# Altium PCB IoT_Greenhouse V1.0 A.PcbDoc (part 1 of 2) (continued)
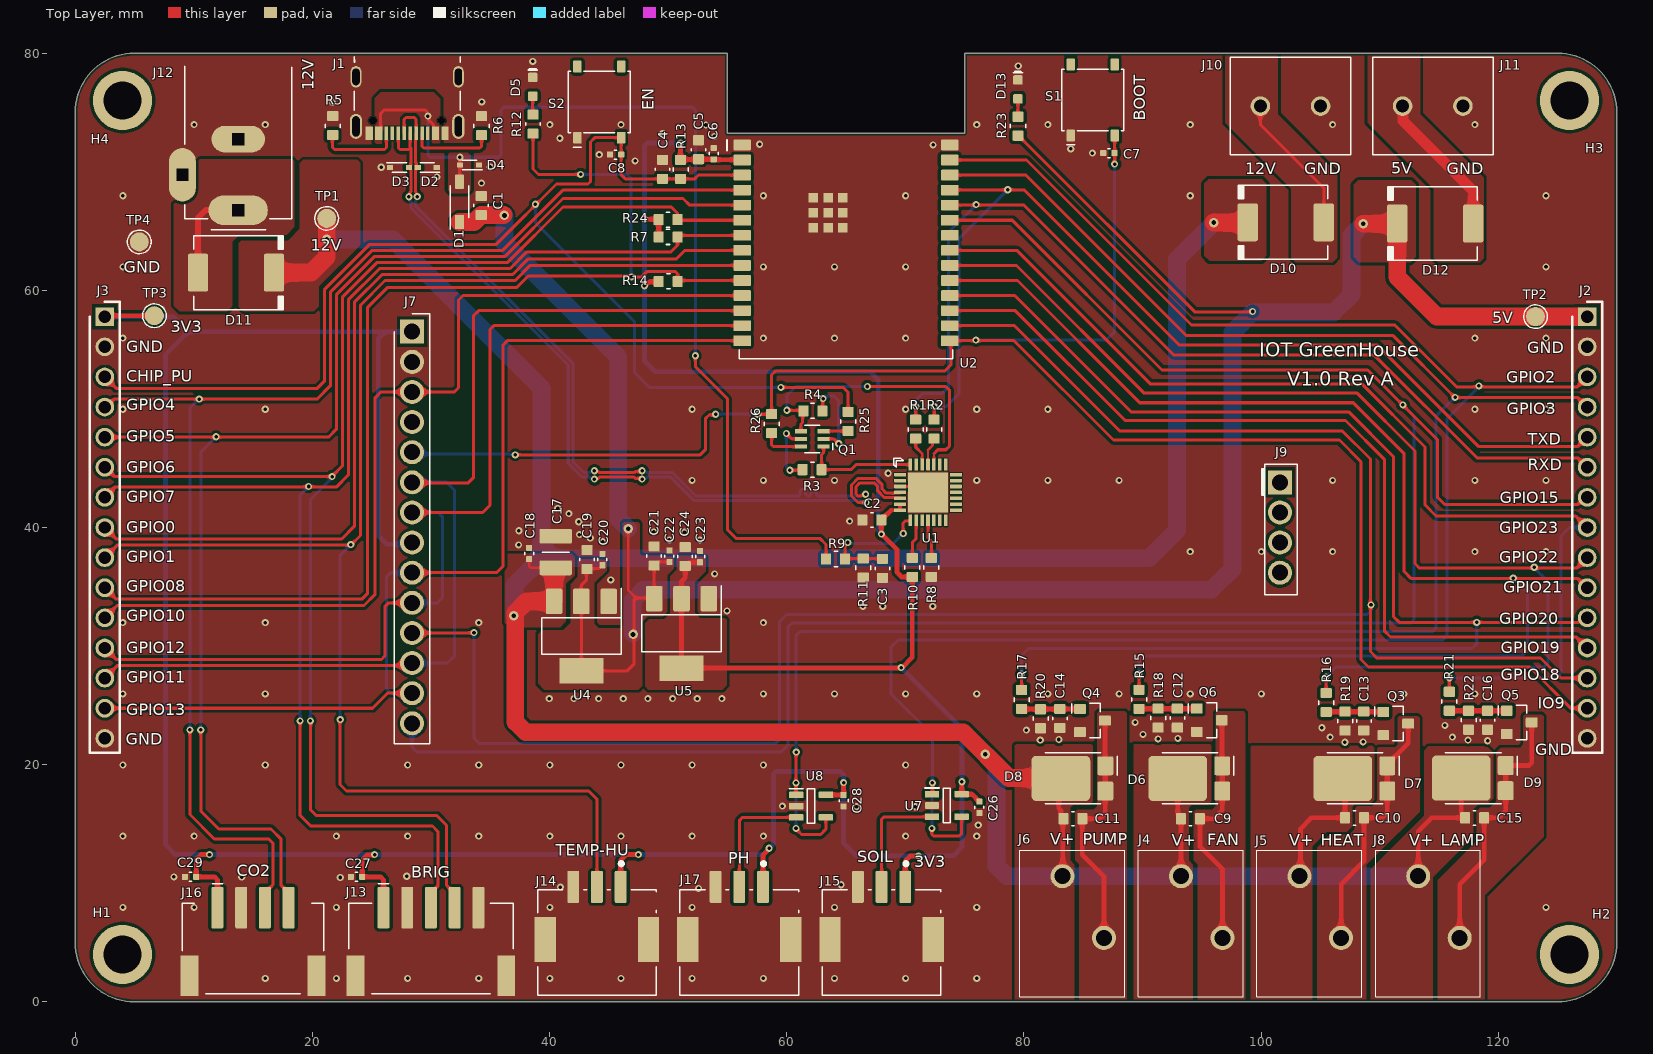
[diagram p0: Top Layer view]
## Part data (continued)
C9 C10 C11 C15: library part CAP_1uF_35V_X5R_0603, "Multilayer Ceramic Capacitors (High dielectric type), 35V, 1 uF, ± 10 %, 0603, X5R, RoHS", Capacitance=1uF, Case Code (Imperial)=0603, Case Code (Metric)=1608, Dielectric=X5R, Dielectric Material=4241ConductorMaterial, Manufacturer="Taiyo Yuden", Max Operating Temperature=85°C, Min Operating Temperature=-55°C, Package Quantity=4000, Supplier Part Number 1=587-1437-6-ND, Tolerance=10%, Voltage Rating=35V, Case/Package=0603, Category="Ceramic Capacitors", ComponentLink1Description=https://datasheet.ciiva.com/134/gmk107bj105ka-t-ss-134746.pdf?src-supplier=Digikey, ComponentLink1URL=https://datasheet.ciiva.com/134/gmk107bj105ka-t-ss-134746.pdf?src-supplier=Digikey, ComponentLink2Description=https://datasheet.ciiva.com/30065/198gmk107bj105ka-t-30065053.pdf?src-supplier=Onlinecomponents.com, ComponentLink2URL=https://datasheet.ciiva.com/30065/198gmk107bj105ka-t-30065053.pdf?src-supplier=Onlinecomponents.com, ComponentLink3Description=https://datasheet.ciiva.com/11463/gmk107bj105ka-t-ss-11463824.pdf?src-supplier=Avnet, ComponentLink3URL=https://datasheet.ciiva.com/11463/gmk107bj105ka-t-ss-11463824.pdf?src-supplier=Avnet, ComponentLink4Description=https://datasheet.ciiva.com/15920/1014gmk107bj105ka-t-15920678.pdf?src-supplier=Onlinecomponents.com, ComponentLink4URL=https://datasheet.ciiva.com/15920/1014gmk107bj105ka-t-15920678.pdf?src-supplier=Onlinecomponents.com, ComponentLink5Description=https://datasheet.ciiva.com/26871/getdatasheetpartid-637436-26871549.pdf?src-supplier=Verical, ComponentLink5URL=https://datasheet.ciiva.com/26871/getdatasheetpartid-637436-26871549.pdf?src-supplier=Verical, ComponentLink6Description=https://datasheet.ciiva.com/30181/9gmk107bj105ka-t-30181659.pdf?src-supplier=Onlinecomponents.com, ComponentLink6URL=https://datasheet.ciiva.com/30181/9gmk107bj105ka-t-30181659.pdf?src-supplier=Onlinecomponents.com, ComponentLink7Description=https://datasheet.ciiva.com/5415/mlcc-all-e-541559-5415038.pdf?src-supplier=Mouser, ComponentLink7URL=https://datasheet.ciiva.com/5415/mlcc-all-e-541559-5415038.pdf?src-supplier=Mouser, Construction=Flat, Depth=0.8mm, Halogen Free=5694HalogenFree, Height=0.8mm, Lead Free=5697LeadFree, Length=1.6mm, Manufacturer Part Number=GMK107BJ105KA-T, Material=4241ConductorMaterial, Mount="Surface Mount", Packaging="Tape and Reel", Pricing 1="1=0.17, 10=0.108, 50=0.0682, 100=0.0545, 500=0.0394, 1000=0.03484 (USD)", Radiation Hardening=No, Reach SVHC Compliant=No, RoHS=Yes, RoHS Compliant=Yes, Series=M, Stock 1=1326938, Supplier 1=Digikey, Termination=SMD/SMT, Voltage Rating (DC)=35V, Width=0.8mm
C12 C13 C14 C16: library part CAP_100NF_16V_X7R_0603, "Ceramic capacitor SMD-0603 100nF /16V X7R# K +-10%, Samsung, RoHS", Capacitance=100nF, Case Code (Imperial)=0603, Case Code (Metric)=1608, Dielectric=X7R, Manufacturer=Samsung, Max Operating Temperature=125°C, Min Operating Temperature=-55°C, Package Quantity=1, Supplier Part Number 1=1276-1005-1-ND, Tolerance=10%, Voltage=16V, Case/Package=0603, Category="Ceramic Capacitors", ComponentLink1Description=https://datasheet.ciiva.com/25805/cl10b104ko8nnnc-25805483.pdf?src-supplier=Digi-Key, ComponentLink1URL=https://datasheet.ciiva.com/25805/cl10b104ko8nnnc-25805483.pdf?src-supplier=Digi-Key, ComponentLink2Description=https://datasheet.ciiva.com/26838/getdatasheetpartid-357417-26838418.pdf?src-supplier=Verical, ComponentLink2URL=https://datasheet.ciiva.com/26838/getdatasheetpartid-357417-26838418.pdf?src-supplier=Verical, ComponentLink3Description=https://datasheet.ciiva.com/29198/456679-da-01-en-vs-kondensator-0603-29198846.pdf?src-supplier=Conrad, ComponentLink3URL=https://datasheet.ciiva.com/29198/456679-da-01-en-vs-kondensator-0603-29198846.pdf?src-supplier=Conrad, Contact Plating=Tin, Depth=0.8mm, Height=0.8mm, Lead Free="Lead Free", Length=1.6mm, Manufacturer Part Number=CL10B104KO8NNNC, Material=Ceramic, Mount="Surface Mount", Packaging="Tape and Reel", Pricing 1="1=0.10000, 10=0.02700, 50=0.01500, 100=0.01220, 500=0.00874, 1000=0.00686 (USD)", Radiation Hardening=No, RoHS=Yes, RoHS Compliant=Yes, Series=CL, Stock 1=9799745, Supplier 1=Digi-Key, Supplier 2=Newark, Supplier 3=Mouser, Supplier Part Number 2=82AC9325, Supplier Part Number 3=187-CL10B104KO8NNNC, Thickness=0.035inch, Voltage Rating=16V, Width=0.031inch
C17: library part CAP_22UF_25V_X7R_1210, "Multilayer Ceramic Capacitor, 22 uF, 25 V, ± 10%, X7R, 1210 [3225 Metric]", Capacitance=22uF, Case Code (Imperial)=1210, Case Code (Metric)=3225, Color=46Colour, Current Rating=3A, Dielectric=X7R, Manufacturer=Murata, Max Operating Temperature=125°C, Min Operating Temperature=-55°C, Package Quantity=1, Supplier Part Number 1=490-5313-1-ND, Tolerance=10%, Voltage=25V, Case/Package=1210, Category="Ceramic Capacitors", ComponentLink1Description=https://datasheet.ciiva.com/6072/1697714-6072768.pdf?src-supplier=Farnell, ComponentLink1URL=https://datasheet.ciiva.com/6072/1697714-6072768.pdf?src-supplier=Farnell, ComponentLink2Description=https://datasheet.ciiva.com/3776/2741grm32er71e226ke1523-3776996.pdf?src-supplier=Arrow+Electronics, ComponentLink2URL=https://datasheet.ciiva.com/3776/2741grm32er71e226ke1523-3776996.pdf?src-supplier=Arrow+Electronics, ComponentLink3Description=https://datasheet.ciiva.com/11789/0900766b80ef921d-11789129.pdf?src-supplier=Rs, ComponentLink3URL=https://datasheet.ciiva.com/11789/0900766b80ef921d-11789129.pdf?src-supplier=Rs, ComponentLink4Description=https://datasheet.ciiva.com/16497/product-16497009.pdf?src-supplier=Future+Electronics, ComponentLink4URL=https://datasheet.ciiva.com/16497/product-16497009.pdf?src-supplier=Future+Electronics, ComponentLink5Description=https://datasheet.ciiva.com/29201/451826-da-01-de-vs-kondens-grm32-er71e-226ke15l-29201795.pdf?src-supplier=Conrad, ComponentLink5URL=https://datasheet.ciiva.com/29201/451826-da-01-de-vs-kondens-grm32-er71e-226ke15l-29201795.pdf?src-supplier=Conrad, ComponentLink6Description=https://datasheet.ciiva.com/175/partnumbering-e-01-175746.pdf?src-supplier=Digikey, ComponentLink6URL=https://datasheet.ciiva.com/175/partnumbering-e-01-175746.pdf?src-supplier=Digikey, ComponentLink7Description=https://datasheet.ciiva.com/175/partnumbering-e-01-175747.pdf?src-supplier=Digikey, ComponentLink7URL=https://datasheet.ciiva.com/175/partnumbering-e-01-175747.pdf?src-supplier=Digikey, ComponentLink8Description=https://datasheet.ciiva.com/175/partnumbering-e-01-175748.pdf?src-supplier=Digikey, ComponentLink8URL=https://datasheet.ciiva.com/175/partnumbering-e-01-175748.pdf?src-supplier=Digikey, ComponentLink9Description=https://datasheet.ciiva.com/22703/1697714-22703397.pdf?src-supplier=Element14, ComponentLink9URL=https://datasheet.ciiva.com/22703/1697714-22703397.pdf?src-supplier=Element14, Construction=Flat, Contact Material=150ConductorMaterial, Contact Plating=157ConductorMaterial, Depth=2.5mm, Gender=29Gender, Height=2.5mm, Lead Free="Lead Free", Lead Pitch=2.54mm, Length=3.2mm, Manufacturer Part Number=GRM32ER71E226KE15L, Material=Ceramic, Mount="Surface Mount", Number of Pins=2, Packaging="Tape and Reel", Pricing 1="1=0.76, 10=0.535, 50=0.4502, 100=0.3666, 500=0.30548 (USD)", Radiation Hardening=No, Reach SVHC Compliant=No, RoHS=Yes, RoHS Compliant=Yes, Series=GRM, Stock 1=230605, Supplier 1=Digikey, Termination=SMD/SMT, Thickness=0.106inch, Voltage Rating=25V, Voltage Rating (DC)=25V, Width=0.098inch
D1: library part DIO_RECT_40V_1A_1N5819HW-7-F, "Rectifier Diode, Schottky, 1 Phase, 1 Element, 1A, 40V V(RRM), Silicon", Average Rectified Current=1A, Capacitance=50pF, Case/Package=SOD-123-2, Forward Voltage=450mV, Manufacturer=Diodes, Max Forward Surge Current (Ifsm)=25A, Max Operating Temperature=125°C, Max Power Dissipation=450mW, Max Repetitive Reverse Voltage (Vrrm)=40V, Max Reverse Current=50uA, Min Operating Temperature=-65°C, Package Quantity=3000, Supplier Part Number 1=1N5819HW-FDIDKR-ND, Category="Rectifier Diodes", ComponentLink1Description=https://datasheet.ciiva.com/16303/ds30217-16303296.pdf?src-supplier=Future+Electronics, ComponentLink1URL=https://datasheet.ciiva.com/16303/ds30217-16303296.pdf?src-supplier=Future+Electronics, ComponentLink2Description=https://datasheet.ciiva.com/27092/1538419-27092484.pdf?src-supplier=Jameco, ComponentLink2URL=https://datasheet.ciiva.com/27092/1538419-27092484.pdf?src-supplier=Jameco, ComponentLink3Description=https://datasheet.ciiva.com/912/ds30217-912801.pdf?src-supplier=Digikey, ComponentLink3URL=https://datasheet.ciiva.com/912/ds30217-912801.pdf?src-supplier=Digikey, ComponentLink4Description=https://datasheet.ciiva.com/912/ds30217-912802.pdf?src-supplier=Digikey, ComponentLink4URL=https://datasheet.ciiva.com/912/ds30217-912802.pdf?src-supplier=Digikey, ComponentLink5Description=https://datasheet.ciiva.com/912/ds30217-912803.pdf?src-supplier=Digikey, ComponentLink5URL=https://datasheet.ciiva.com/912/ds30217-912803.pdf?src-supplier=Digikey, ComponentLink6Description=https://datasheet.ciiva.com/8303/ds30217-8303132.pdf?src-supplier=Avnet, ComponentLink6URL=https://datasheet.ciiva.com/8303/ds30217-8303132.pdf?src-supplier=Avnet, ComponentLink7Description=https://datasheet.ciiva.com/1177/ds30217-1177089.pdf?src-supplier=Element14, ComponentLink7URL=https://datasheet.ciiva.com/1177/ds30217-1177089.pdf?src-supplier=Element14, Current Rating=1A, Forward Current=1A, Height=1.25mm, Lead Free="Lead Free", Length=2.85mm, Manufacturer Part Number=1N5819HW-7-F, Max Reverse Voltage (DC)=40V, Number of Pins=2, Output Current=1A, Packaging="Tape and Reel", Peak Non-Repetitive Surge Current=25A, Polarity=Standard, Pricing 1="1=0.41, 10=0.289, 100=0.146, 500=0.11908, 1000=0.08836 (USD)", Radiation Hardening=No, Reach SVHC Compliant=No, Reverse Voltage=40V, RoHS=Yes, RoHS Compliant=Yes, Series=-, Stock 1=221439, Supplier 1=Digikey, Termination=SMD/SMT, Voltage Rating (DC)=40V, Weight=0.000353oz, Width=1.7mm
D2 D3 D4: library part DIO_TVS_BID_5V_PESD5V0S1BB,115, "ESD Suppressor Diode TVS Bi-Dir 5V Automotive 2-Pin SOD-523 T/R / TVS DIODE 5VWM 14VC SOD523", Breakdown Voltage=5.5V, Manufacturer=Nexperia, Operating Supply Voltage=5V, Supplier Part Number 1=1727-3838-1-ND, Category="ESD and Circuit Protection ICs", ComponentLink1Description=http://www.farnell.com/datasheets/461331.pdf?src-supplier=Farnell, ComponentLink1URL=http://www.farnell.com/datasheets/461331.pdf?src-supplier=Farnell, ComponentLink2Description=https://www.mouser.com/ds/2/302/PESD5V0S1BA_BB_BL-1150699.pdf?src-supplier=Mouser, ComponentLink2URL=https://www.mouser.com/ds/2/302/PESD5V0S1BA_BB_BL-1150699.pdf?src-supplier=Mouser, ComponentLink3Description=https://assets.nexperia.com/documents/data-sheet/PESD5V0S1BA_BB_BL.pdf?src-supplier=Digikey, ComponentLink3URL=https://assets.nexperia.com/documents/data-sheet/PESD5V0S1BA_BB_BL.pdf?src-supplier=Digikey, ComponentLink4Description=http://www.farnell.com/datasheets/461331.pdf?src-supplier=Newark, ComponentLink4URL=http://www.farnell.com/datasheets/461331.pdf?src-supplier=Newark, Manufacturer Part Number=PESD5V0S1BB,115, Number of Pins=2, Packaging="Tape and Reel", Pricing 1="1=0.35, 10=0.243, 100=0.1226, 500=0.10004, 1000=0.07422, 3000=0.06245, 6000=0.0597, 9000=0.05163, 30000=0.05067, 75000=0.04195, 150000=0.04131 (USD)", RoHS=Yes, RoHS Compliant=Yes, Stock 1=221713, Supplier 1=Digikey
D5: library part LED_DIO_BLUE_5mA_0603, "LED Uni-Color Blue 468nm 2-Pin Chip LED T/R", Case Code (Imperial)=0603, Case Code (Metric)=1608, Color=Blue, Forward Current=20mA, Forward Voltage=2.8V, Lens Color=Colorless, Manufacturer="Vishay Lite-On", Max Operating Temperature=80°C, Min Operating Temperature=-20°C, Package Quantity=1, Power Dissipation=76mW, Reverse Voltage=5V, Supplier Part Number 1=160-1827-1-ND, Test Current=5mA, Case/Package=0603, Category=LEDs, ComponentLink1Description=https://datasheet.ciiva.com/2111/ltst-c193tbkt-5a-2111219.pdf?src-supplier=Digi-Key, ComponentLink1URL=https://datasheet.ciiva.com/2111/ltst-c193tbkt-5a-2111219.pdf?src-supplier=Digi-Key, ComponentLink2Description=https://datasheet.ciiva.com/4688/lite-on-ltst-c193tbkt-5a-187386-4688832.pdf?src-supplier=Mouser, ComponentLink2URL=https://datasheet.ciiva.com/4688/lite-on-ltst-c193tbkt-5a-187386-4688832.pdf?src-supplier=Mouser, ComponentLink3Description=https://datasheet.ciiva.com/16210/ltst-c193tbkt-5a-16210824.pdf?src-supplier=Future+Electronics, ComponentLink3URL=https://datasheet.ciiva.com/16210/ltst-c193tbkt-5a-16210824.pdf?src-supplier=Future+Electronics, ComponentLink4Description=https://datasheet.ciiva.com/15201/getdatasheetpartid-293056-15201395.pdf?src-supplier=Verical, ComponentLink4URL=https://datasheet.ciiva.com/15201/getdatasheetpartid-293056-15201395.pdf?src-supplier=Verical, ComponentLink5Description=https://datasheet.ciiva.com/11773/0900766b80dc0554-11773880.pdf?src-supplier=Rs, ComponentLink5URL=https://datasheet.ciiva.com/11773/0900766b80dc0554-11773880.pdf?src-supplier=Rs, ComponentLink6Description=https://datasheet.ciiva.com/2111/p-100-ltst-c193tbkt-5a-2111220.pdf?src-supplier=Digi-Key, ComponentLink6URL=https://datasheet.ciiva.com/2111/p-100-ltst-c193tbkt-5a-2111220.pdf?src-supplier=Digi-Key, ComponentLink7Description=https://datasheet.ciiva.com/2111/p-100-ltst-c193tbkt-5a-2111221.pdf?src-supplier=Digi-Key, ComponentLink7URL=https://datasheet.ciiva.com/2111/p-100-ltst-c193tbkt-5a-2111221.pdf?src-supplier=Digi-Key, Depth=0.8mm, Dominant Wavelength=475nm, Height=0.35mm, Illumination Color=Blue, Lead Free="Lead Free", Length=1.6mm, Lens Style=Diffused,Colorless,Rectangular,Clear, Lens Transparency=Clear, Luminous Intensity=15mcd, Manufacturer Part Number=LTST-C193TBKT-5A, Mount="Surface Mount", Number of Elements=1, Number of LEDs=1, Number of Pins=2, Packaging="Tape and Reel", Pricing 1="1=0.30000, 10=0.23400, 100=0.10510, 500=0.09492, 1000=0.07797, 2000=0.06780 (USD)", Radiation Hardening=No, RoHS=Yes, RoHS Compliant=Yes, Stock 1=924158, Supplier 1=Digi-Key, Supplier 2="Arrow Electronics", Supplier 3="Future Electronics", Supplier Part Number 2=LTST-C193TBKT-5A, Supplier Part Number 3=1101072, Viewing Angle=130°, Width=0.8mm
D6 D7 D8 D9: library part DIO_SCTKY_100V_6A_PMEG100V060ELPDZ, "DIODESCHOTTKY100V6ACFP15", Manufacturer=Nexperia, Category="Schottky Diodes", ComponentLink1Description=http://www.farnell.com/datasheets/2341403.pdf?src-supplier=Farnell, ComponentLink1URL=http://www.farnell.com/datasheets/2341403.pdf?src-supplier=Farnell, ComponentLink2Description=https://datasheet.octopart.com/PMEG100V060ELPDZ-Nexperia-datasheet-87796136.pdf?src-supplier=Future+Electronics, ComponentLink2URL=https://datasheet.octopart.com/PMEG100V060ELPDZ-Nexperia-datasheet-87796136.pdf?src-supplier=Future+Electronics, Manufacturer Part Number=PMEG100V060ELPDZ, Pricing 1="1=0.58, 10=0.504, 100=0.3491, 500=0.29166 (USD)", RoHS=Yes, RoHS Compliant=Yes, Stock 1=60422, Supplier 1=Digikey
D10 D11 D12: library part DIO_SCTKY_40V_3A, "Rectifier Diode, schottky, 40V V(Rrm), do-214Ab / Smc", Average Rectified Current=3A, Case/Package=SMC, Forward Voltage=500mV, Manufacturer="Vishay Semiconductors", Max Operating Temperature=125°C, Max Repetitive Reverse Voltage (Vrrm)=40V, Max Reverse Current=500uA, Max Surge Current=100A, Min Operating Temperature=-55°C, Package Quantity=3500, Category="Rectifier Diodes", ComponentLink1Description=https://datasheet.ciiva.com/920/ss32-920172.pdf?src-supplier=Digi-Key, ComponentLink1URL=https://datasheet.ciiva.com/920/ss32-920172.pdf?src-supplier=Digi-Key, Element Configuration=Single, Forward Current=3A, Manufacturer Part Number=SS34-E3/9AT, Max Reverse Leakage Current=500uA, Max Reverse Voltage (DC)=40V, Mount="Surface Mount", Number of Pins=2, Packaging="Tape and Reel", Peak Non-Repetitive Surge Current=100A, Pricing 1="3500=0.18200 (USD)", Radiation Hardening=No, RoHS=Yes, RoHS Compliant=Yes, Series=-, Stock 1=7000, Supplier 1=TTI, Supplier Part Number 1=SS34-E3/9AT
D13: library part LED_DIO_RED_20mA_0603, "LED,  LTST-C190KRKT", Case Code (Imperial)=0603, Case Code (Metric)=1608, Color=Red, Forward Current=30mA, Forward Voltage=2.4V, Lens Color=Colorless, Manufacturer="Vishay Lite-On", Max Operating Temperature=85°C, Min Operating Temperature=-55°C, Package Quantity=1, Power Dissipation=75mW, Reverse Voltage=5V, Supplier Part Number 1=160-1436-6-ND, Test Current=20mA, Case/Package=0603, Category=LEDs, ComponentLink1Description=https://datasheet.ciiva.com/19482/1260381-19482354.pdf?src-supplier=Jameco, ComponentLink1URL=https://datasheet.ciiva.com/19482/1260381-19482354.pdf?src-supplier=Jameco, ComponentLink2Description=https://datasheet.ciiva.com/12403/100-ltst-c190krkt-59805-12403895.pdf?src-supplier=Mouser, ComponentLink2URL=https://datasheet.ciiva.com/12403/100-ltst-c190krkt-59805-12403895.pdf?src-supplier=Mouser, ComponentLink3Description=https://datasheet.ciiva.com/16427/ltst-c190krkt-16427674.pdf?src-supplier=Future+Electronics, ComponentLink3URL=https://datasheet.ciiva.com/16427/ltst-c190krkt-16427674.pdf?src-supplier=Future+Electronics, ComponentLink4Description=https://datasheet.ciiva.com/15117/getdatasheetpartid-57395-15117240.pdf?src-supplier=Verical, ComponentLink4URL=https://datasheet.ciiva.com/15117/getdatasheetpartid-57395-15117240.pdf?src-supplier=Verical, ComponentLink5Description=https://datasheet.ciiva.com/11774/0900766b80dc02a9-11774043.pdf?src-supplier=Rs, ComponentLink5URL=https://datasheet.ciiva.com/11774/0900766b80dc02a9-11774043.pdf?src-supplier=Rs, ComponentLink6Description=https://datasheet.ciiva.com/2109/s-110-ltst-c190krkt-2109992.pdf?src-supplier=Digi-Key, ComponentLink6URL=https://datasheet.ciiva.com/2109/s-110-ltst-c190krkt-2109992.pdf?src-supplier=Digi-Key, ComponentLink7Description=https://datasheet.ciiva.com/2109/s-110-ltst-c190krkt-2109991.pdf?src-supplier=Digi-Key, ComponentLink7URL=https://datasheet.ciiva.com/2109/s-110-ltst-c190krkt-2109991.pdf?src-supplier=Digi-Key, ComponentLink8Description=https://datasheet.ciiva.com/2109/s-110-ltst-c190krkt-2109993.pdf?src-supplier=Digi-Key, ComponentLink8URL=https://datasheet.ciiva.com/2109/s-110-ltst-c190krkt-2109993.pdf?src-supplier=Digi-Key, ComponentLink9Description=https://datasheet.ciiva.com/26937/getdatasheetpartid-631582-26937958.pdf?src-supplier=Verical, ComponentLink9URL=https://datasheet.ciiva.com/26937/getdatasheetpartid-631582-26937958.pdf?src-supplier=Verical, Depth=0.8mm, Dominant Wavelength=631nm, Height=0.8mm, Illumination Color=Red, Lead Free="Lead Free", Length=1.6mm, Lens Style=Diffused,Colorless,Clear,Rectangular, Lens Transparency=Clear, Luminous Intensity=54mcd, Manufacturer Part Number=LTST-C190KRKT, Mount="Surface Mount", Number of Elements=1, Number of LEDs=1, Number of Pins=2, Packaging="Tape and Reel", Power Rating=75mW, Pricing 1="1=0.24000, 10=0.13200, 100=0.06110, 500=0.05640, 1000=0.04418, 2000=0.04324 (USD)", Radiation Hardening=No, RoHS=Yes, RoHS Compliant=Yes, Stock 1=712361, Supplier 1=Digi-Key, Supplier 2=Mouser, Supplier 3="Arrow Electronics", Supplier Part Number 2=859-LTST-C190KRKT, Supplier Part Number 3=LTST-C190KRKT, Viewing Angle=130°, Wavelength=639nm, Width=0.8mm
H1 H2 H3 H4: library part MECHANICALS_MOUNT_PTH, "Mounting Hole, Plated"
J1: library part "CONN_USB_TYPEC_2.0_16P_TYPE-C 16PIN 2MD(073)", "5A 1 Surface Mount 16P Female -25℃~+85℃ Type-C SMD USB Connectors ROHS", Manufacturer="SHOU HAN", Supplier Part Number 1=664-12402012E212ACT-ND, Category=Connectors, Manufacturer Part Number="TYPE-C 16PIN 2MD(073)", Pricing 1="0.0523 (USD)", RoHS=No, Supplier 1=LCSC
J2 J3: library part CONN_HEADER_MALE_15P_2.54mm, "CONN HEADER .100 SINGL STR 15POS", Color=Black, Manufacturer=Sullins, Package Quantity=1, Supplier Part Number 1=S1212E-15-ND, Category=Connectors, ComponentLink1Description=https://s3.amazonaws.com/catalogspreads-pdf/PAGE108-109%20.100%20MALE%20HDR.pdf?src-supplier=Digikey, ComponentLink1URL=https://s3.amazonaws.com/catalogspreads-pdf/PAGE108-109%20.100%20MALE%20HDR.pdf?src-supplier=Digikey, Contact Material=Bronze, Contact Mating Length=0.318inch, Contact Plating=Tin, Contact Type="Male Pin", Gender=Male, Height=2.54mm, Housing Color=Black, Housing Material=Plastic, Lead Free="Lead Free", Length=38.1mm, Manufacturer Part Number=PEC15SFAN, Mount="Through Hole", Number of Contacts=15, Number of Positions=15, Number of Rows=1, Packaging=Bulk, Pitch=0.1inch, Pricing 1="1=0.82, 10=0.695, 100=0.6239, 500=0.5105, 1000=0.45378, 5000=0.40516 (USD)", RoHS=Yes, RoHS Compliant=Yes, Stock 1=17155, Supplier 1=Digikey, Termination=Solder, Width=2.54mm
J4 J5 J6 J8: library part CONN_TBLOCK_2P_3.5mm_1-2834011-2, "2POS3.5MMTOPENTRYSCREWLESSC", Color=Green, Contact Current Rating=6A, Manufacturer="TE Connectivity", Max Operating Temperature=105°C, Min Operating Temperature=-40°C, Supplier Part Number 1=A123848-ND, Voltage=300V, Approvals=UL, Category="Terminal Blocks", ComponentLink1Description=http://www.te.com/commerce/DocumentDelivery/DDEController?Action=srchrtrv&DocNm=1-1773872-7_ModularScrewlessTerminalBloc&DocType=DS&DocLang=English&src-supplier=Digikey, ComponentLink1URL=http://www.te.com/commerce/DocumentDelivery/DDEController?Action=srchrtrv&DocNm=1-1773872-7_ModularScrewlessTerminalBloc&DocType=DS&DocLang=English&src-supplier=Digikey, ComponentLink2Description=https://datasheet.octopart.com/1-2834011-2-TE-Connectivity-datasheet-62069794.pdf?src-supplier=Farnell, ComponentLink2URL=https://datasheet.octopart.com/1-2834011-2-TE-Connectivity-datasheet-62069794.pdf?src-supplier=Farnell, ComponentLink3Description=http://www.farnell.com/datasheets/2296738.pdf?src-supplier=Newark, ComponentLink3URL=http://www.farnell.com/datasheets/2296738.pdf?src-supplier=Newark, ComponentLink4Description=https://datasheet.octopart.com/1-2834011-2-TE-Connectivity-datasheet-77874288.pdf?src-supplier=Element14, ComponentLink4URL=https://datasheet.octopart.com/1-2834011-2-TE-Connectivity-datasheet-77874288.pdf?src-supplier=Element14, Connector Type=Receptacle,Connector, Contact Plating=Tin,Lead, Current=6A, Current Rating=6A, Housing Material=Nylon, Lead Free="Lead Free", Manufacturer Part Number=1-2834011-2, Mount="Through Hole", Number of Levels=1, Number of Pins=2, Number of Positions=2, Number of Positions Per Level=2, Packaging=Box, Pricing 1="1=0.25, 10=0.209, 25=0.194, 50=0.1832, 100=0.1732, 250=0.16068, 500=0.15182, 1000=0.14552 (USD)", Reach SVHC Compliant=Unknown, RoHS=Yes, RoHS Compliant=Yes, Sealable="No (Without)", Series=-, Stock 1=110419, Supplier 1=Digikey, Termination="Through Hole", Voltage Rating=300V, Wire Gauge (Max)=20AWG, Wire Gauge (Min)=14AWG, Wire/Cable Gauge=14AWG
J7: library part CONN_HEADER_FEMALE_14P_2.54mm, "PPTC Series 14 Position 2.54 mm Single Row Through Hole Pin Header", Flammability Rating="UL94 V-0", Insulation Color=Black, Manufacturer=Sullins, Max Operating Temperature=105°C, Min Operating Temperature=-40°C, Supplier Part Number 1=S7012-ND, Voltage Rating=250V, Category=Connectors, ComponentLink1Description=https://media.digikey.com/pdf/Data%20Sheets/Sullins%20PDFs/Female_Headers.100_DS.pdf?src-supplier=Digikey, ComponentLink1URL=https://media.digikey.com/pdf/Data%20Sheets/Sullins%20PDFs/Female_Headers.100_DS.pdf?src-supplier=Digikey, Connector Type=Header, Contact Finish - Mating=TIN, Contact Material=Bronze, Contact Shape=Square, Contact Type="Female Socket", Fastening Type=Pull, Height=8.5mm, Housing Material=Plastic, Insulation Material=Polyester, Lead Free="Lead Free", Length=36.1mm, Manufacturer Part Number=PPTC141LFBN-RC, Mount="Through Hole", Number of Positions=14, Number of Rows=1, Packaging=Tray, Pricing 1="1=0.92, 10=0.78, 80=0.70075, 440=0.5733, 1000=0.5096, 5000=0.455 (USD)", RoHS=Yes, RoHS Compliant=Yes, Series=-, Stock 1=3902, Supplier 1=Digikey, Termination=Solder, Width=2.5mm
J9: library part CONN_HEADER_FEMALE_4P_2.54mm_JLCPCB, "2.54mm Plugin 4P Brass Straight 1x4P Plugin,P=2.54mm  Female Headers ROHS", Flammability Rating="UL94 V-0", Insulation Color=Black, JLCPCB Part Number=C541851, Manufacturer=XFCN, Max Operating Temperature=105°C, Min Operating Temperature=-40°C, Voltage Rating=250V, Category=Connectors, Connector Type=Header, Contact Finish - Mating=TIN, Contact Material=Bronze, Contact Shape=Square, Contact Type="Female Socket", Fastening Type=Pull, Height=8.5mm, Housing Material=Plastic, Insulation Material=Polyester, Lead Free="Lead Free", Length=10.7mm, Manufacturer Part Number=PM254V-11-04-H85, Mount="Through Hole", Number of Positions=4, Number of Rows=1, Packaging=Tray, Pitch=2.54mm, RoHS=Yes, RoHS Compliant=Yes, Series=-, Supplier=Jlcpcb, Termination=Solder, Width=2.5mm
J10 J11: library part CONN_TBLOCK_2P_5.08mm_282837-2, "Connector, Terminal Block; Wire Receptacle; 2 Pos.; 16-30 AWG; 0.2 in. CL; Side;", Color=Green, Current=13.5A, Flammability Rating="UL94 V-0", Manufacturer="TE Connectivity", Max Operating Temperature=110°C, Min Operating Temperature=-40°C, Operating Supply Voltage=300V, Package Quantity=300, Supplier Part Number 1=A113320-ND, Voltage Rating=250V, Category="Terminal Blocks", Closed End="No (Without)", ComponentLink1Description=https://datasheet.ciiva.com/819/eng-cs-1308389-eurostyle-terminal-blocks-0607-819104.pdf?src-supplier=Avnet, ComponentLink1URL=https://datasheet.ciiva.com/819/eng-cs-1308389-eurostyle-terminal-blocks-0607-819104.pdf?src-supplier=Avnet, ComponentLink2Description=https://datasheet.ciiva.com/11758/0900766b80e7dc97-11758677.pdf?src-supplier=Rs, ComponentLink2URL=https://datasheet.ciiva.com/11758/0900766b80e7dc97-11758677.pdf?src-supplier=Rs, ComponentLink3Description=https://datasheet.ciiva.com/16305/eng-cs-1308389-eurostyle-terminal-blocks-0607-16305248.pdf?src-supplier=Future+Electronics, ComponentLink3URL=https://datasheet.ciiva.com/16305/eng-cs-1308389-eurostyle-terminal-blocks-0607-16305248.pdf?src-supplier=Future+Electronics, ComponentLink4Description=https://datasheet.ciiva.com/19467/750688-19467564.pdf?src-supplier=Jameco, ComponentLink4URL=https://datasheet.ciiva.com/19467/750688-19467564.pdf?src-supplier=Jameco, ComponentLink5Description=https://datasheet.ciiva.com/18620/eng-cd-282837-g3-18620917.pdf?src-supplier=Digikey, ComponentLink5URL=https://datasheet.ciiva.com/18620/eng-cd-282837-g3-18620917.pdf?src-supplier=Digikey, ComponentLink6Description=https://datasheet.ciiva.com/823/eng-cd-282837-g3-823439.pdf?src-supplier=Digikey, ComponentLink6URL=https://datasheet.ciiva.com/823/eng-cd-282837-g3-823439.pdf?src-supplier=Digikey, ComponentLink7Description=https://datasheet.ciiva.com/7978/1650926-7978569.pdf?src-supplier=Element14, ComponentLink7URL=https://datasheet.ciiva.com/7978/1650926-7978569.pdf?src-supplier=Element14, ComponentLink8Description=https://datasheet.ciiva.com/14606/70086281-14606908.pdf?src-supplier=Allied+Electronics, ComponentLink8URL=https://datasheet.ciiva.com/14606/70086281-14606908.pdf?src-supplier=Allied+Electronics, ComponentLink9Description=https://datasheet.ciiva.com/30084/eng-cs-1308389-eurostyle-terminal-blocks-0607-30084269.pdf?src-supplier=Onlinecomponents.com, ComponentLink9URL=https://datasheet.ciiva.com/30084/eng-cs-1308389-eurostyle-terminal-blocks-0607-30084269.pdf?src-supplier=Onlinecomponents.com, Connector System=Wire-to-Board, Connector Type=Receptacle, Contact Material=Brass, Contact Plating=Tin, Current Rating=13.5A, ELV=Compliant, Housing Color=Green, Housing Material=Polyamide, Interlock="Yes (With)", Lead Free="Lead Free", Manufacturer Part Number=282837-2, Max Current Rating=13.5A, Mount="Through Hole", Number of Levels=1, Number of Positions=2, Number of Positions Per Level=2, Number of Rows=1, Packaging=Tray, Pitch=5.08mm, Plating=Brass, Pricing 1="1=0.7, 10=0.681, 25=0.678, 50=0.6552, 100=0.5494, 250=0.51504, 500=0.48644, 1000=0.42635, 5000=0.37199 (USD)", Reach SVHC Compliant=Unknown, RoHS=Yes, RoHS Compliant=Yes, Screw Flange="No (Without)", Screwless Terminal Block="No (Without)", Series=Buchanan, Side Stackable="Yes (With)", Stock 1=217371, Supplier 1=Digikey, Tail Length=3.5mm, Termination=Screw, Thread Size=M3, Voltage=300V, Voltage Rating (AC)=250V, Weight=0.059966oz, Wire Gauge (Max)=28AWG, Wire Gauge (Min)=30AWG
J12: library part CONN_DC_JACK_2X6.5mm_PJ-202AH, "2.0 x 6.5 mm, 5.0 A, Horizontal, Through Hole, Kinked Pins, Dc Power Jack Connector", Body Color=Black, Flammability Rating="UL94 V-0", Manufacturer="CUI Devices", Max Operating Temperature=85°C, Min Operating Temperature=-25°C, Supplier Part Number 1=CP-202AH-ND, Category="Power Connectors", ComponentLink1Description=https://datasheet.octopart.com/PJ-202AH-CUI-Devices-datasheet-137760703.pdf?src-supplier=Future+Electronics, ComponentLink1URL=https://datasheet.octopart.com/PJ-202AH-CUI-Devices-datasheet-137760703.pdf?src-supplier=Future+Electronics, ComponentLink2Description=https://datasheet.octopart.com/PJ-202AH-CUI-datasheet-54017.pdf?src-supplier=Digi-Key, ComponentLink2URL=https://datasheet.octopart.com/PJ-202AH-CUI-datasheet-54017.pdf?src-supplier=Digi-Key, ComponentLink3Description=https://datasheet.octopart.com/PJ-202AH-CUI-Devices-datasheet-141002001.pdf?src-supplier=Electro+Sonic, ComponentLink3URL=https://datasheet.octopart.com/PJ-202AH-CUI-Devices-datasheet-141002001.pdf?src-supplier=Electro+Sonic, Connector Type=Jack, Contact Material=Brass, Contact Plating=Silver, Gender=Male, Housing Material=PBT, Manufacturer Part Number=PJ-202AH, Mount="Through Hole", Pricing 1="1=0.78, 25=0.6528, 100=0.5988, 500=0.48902, 2500=0.40274, 10000=0.36162 (USD)", RoHS=Yes, Series=-, Shielding=Unshielded, Stock 1=143167, Supplier 1=Digi-Key, Termination="Kinked Pin"
J13: library part CONN_JST_PH_RA_5P_2mm, "Conn Shrouded Header (4 Sides) HDR 5 POS 2mm Solder RA SMD T/R", Color=Natural,White, Contact Resistance=20mR, Current Rating=2A, Flammability Rating="UL94 V-0", Housing Color=Beige, Insulation Color=Natural, Insulation Resistance=1GR, Manufacturer=JST, Max Operating Temperature=85°C, Max Voltage Rating (AC)=100V, Min Operating Temperature=-25°C, Supplier Part Number 1=455-1752-1-ND, Category=Connectors, ComponentLink1Description=https://datasheet.ciiva.com/712/eph-712755.pdf?src-supplier=Digi-Key, ComponentLink1URL=https://datasheet.ciiva.com/712/eph-712755.pdf?src-supplier=Digi-Key, ComponentLink2Description=https://datasheet.ciiva.com/26894/getdatasheetpartid-641042-26894630.pdf?src-supplier=Verical, ComponentLink2URL=https://datasheet.ciiva.com/26894/getdatasheetpartid-641042-26894630.pdf?src-supplier=Verical, Connector Type=Header, Contact Finish - Mating=TIN, Contact Material="Copper Alloy,Tin,Bronze,Brass", Contact Mating Length=0.13inch, Contact Plating=Tin,Copper, Contact Shape=Square, Contact Type="Male Pin", Depth=8.6mm, Fastening Type=Detent, Gender=Male, Height=9.4mm, Housing Material=Polyamide, Insulation Material=Nylon, Lead Free="Lead Free", Lead Pitch=2mm, Length=13.9mm, Manufacturer Part Number=S5B-PH-SM4-TB(LF)(SN), Max Current Rating=2A, Mount="Surface Mount", Number of Contacts=5, Number of Poles=5, Number of Positions=5, Number of Rows=1, Orientation="Right Angle", Packaging="Tape and Reel", Pitch=2mm, Pricing 1="1=0.81000, 10=0.70600, 100=0.58210, 500=0.50618 (USD)", Reach SVHC Compliant=Yes, RoHS=Yes, Series=PH, Stock 1=35118, Supplier 1=Digi-Key, Supplier 2="Arrow Electronics", Supplier 3=Newark, Supplier Part Number 2=S5B-PH-SM4-TB(LF)(SN), Supplier Part Number 3=38K8079, Termination=Solder, Voltage Rating=100V, Voltage Rating (AC)=100V, Width=5mm, Working Voltage=100V
J14 J15 J17: library part CONN_JST_PH_3P_2MM_SM03B-PASS-TBT, "Conn Header SMD R/a 3POS 2MM", Manufacturer=JST, Supplier Part Number 1=455-SM03B-PASS-TBTCT-ND, Manufacturer Part Number=SM03B-PASS-TBT, Pricing 1="1=0.78, 10=0.657, 100=0.5904, 500=0.48304, 1000=0.42938, 2000=0.40254, 3000=0.38912, 5000=0.3757, 10000=0.35692, 25000=0.34887 (USD)", RoHS=No, Stock 1=258662, Supplier 1=Digikey
J16: library part CONN_JST_PH_RA_4P_2mm_JLCPCB, "1x4P PH 1 Tin 2mm 4 -25℃~+85℃ 2A Copper Alloy Surface Mount SMD,P=2mm Wire To Board / Wire To Wire Connector ROHS", Color=White, Current Rating=2A, Flammability Rating="UL94 V-0", Housing Color=Natural, Insulation Resistance=1GR, JLCPCB Part Number=C265102, Manufacturer=JST, Voltage Rating=100V, Category=Connectors, Contact Material="Copper Alloy", Contact Plating=Tin, Gender=Male, Height=5.5mm, Housing Material=Nylon, Lead Free="Lead Free", Length=11.9mm, Manufacturer Part Number=S4B-PH-SM4-TB(LF)(SN, Number of Contacts=4, Number of Positions=4, Number of Rows=1, Orientation="Right Angle", Packaging="Cut Tape", Pitch=2mm, Reach SVHC Compliant=Yes, RoHS=No, Supplier 1=jlcpcb, Termination=Solder, Voltage Rating (AC)=100V, Width=7.6mm
Q1: library part TRANS_BIPOLAR_NPN_BC847BDW1T1G, "ON Semi BC847BDW1T1G Dual NPN Bipolar Transistor; 0.1 A; 45 V; 6-Pin SC-88", Case/Package=SOT-363-6, Collector Base Voltage (VCBO)=50V, Collector Emitter Breakdown Voltage=45V, Collector Emitter Saturation Voltage=600mV, Current Rating=100mA, Emitter Base Voltage (VEBO)=6V, Frequency=100MHz, Manufacturer="ON Semiconductor", Max Operating Temperature=150°C, Max Power Dissipation=380mW, Min Operating Temperature=-55°C, Package Quantity=3000, Supplier Part Number 1=BC847BDW1T1GOSCT-ND, Category=BJTs, Collector Emitter Voltage (VCEO)=45V, Collector-emitter Voltage-Max=600mV, ComponentLink1Description=https://datasheet.ciiva.com/15138/getdatasheetpartid-32925-15138586.pdf?src-supplier=Verical, ComponentLink1URL=https://datasheet.ciiva.com/15138/getdatasheetpartid-32925-15138586.pdf?src-supplier=Verical, ComponentLink2Description=https://datasheet.ciiva.com/34303/2012187-34303831.pdf?src-supplier=Jameco, ComponentLink2URL=https://datasheet.ciiva.com/34303/2012187-34303831.pdf?src-supplier=Jameco, ComponentLink3Description=https://datasheet.ciiva.com/968/bc846bdw1t1-d-968805.pdf?src-supplier=Digikey, ComponentLink3URL=https://datasheet.ciiva.com/968/bc846bdw1t1-d-968805.pdf?src-supplier=Digikey, ComponentLink4Description=https://datasheet.ciiva.com/968/bc846bdw1t1-d-968806.pdf?src-supplier=Digikey, ComponentLink4URL=https://datasheet.ciiva.com/968/bc846bdw1t1-d-968806.pdf?src-supplier=Digikey, ComponentLink5Description=https://datasheet.ciiva.com/968/bc846bdw1t1-d-968807.pdf?src-supplier=Digikey, ComponentLink5URL=https://datasheet.ciiva.com/968/bc846bdw1t1-d-968807.pdf?src-supplier=Digikey, ComponentLink6Description=https://datasheet.ciiva.com/1215/bc846bdw1t1-d-1215105.pdf?src-supplier=Farnell, ComponentLink6URL=https://datasheet.ciiva.com/1215/bc846bdw1t1-d-1215105.pdf?src-supplier=Farnell, ComponentLink7Description=https://datasheet.ciiva.com/22653/1708249-22653900.pdf?src-supplier=Element14, ComponentLink7URL=https://datasheet.ciiva.com/22653/1708249-22653900.pdf?src-supplier=Element14, ComponentLink8Description=https://datasheet.ciiva.com/16201/bc846bdw1t1-d-16201675.pdf?src-supplier=Future+Electronics, ComponentLink8URL=https://datasheet.ciiva.com/16201/bc846bdw1t1-d-16201675.pdf?src-supplier=Future+Electronics, Contact Plating=Tin,Matte, Gain Bandwidth Product=100MHz, Halogen Free="Halogen Free", Height=0.9mm, hFE Min=200, Lead Free="Lead Free", Length=2mm, Manufacturer Part Number=BC847BDW1T1G, Max Breakdown Voltage=45V, Max Collector Current=100mA, Max Frequency=100MHz, Number of Elements=2, Number of Pins=6, Packaging="Tape and Reel", Polarity=NPN, Power Dissipation=380mW, Pricing 1="1=0.22, 10=0.149, 100=0.0729, 500=0.06078, 1000=0.04224 (USD)", Radiation Hardening=No, Reach SVHC Compliant=No, RoHS=Yes, RoHS Compliant=Yes, Series=-, Stock 1=35041, Supplier 1=Digikey, Transition Frequency=100MHz, Voltage Rating (DC)=45V, Width=1.25mm